# Altium PCB TEBF0808.PcbDoc (part 1 of 11) (continued)
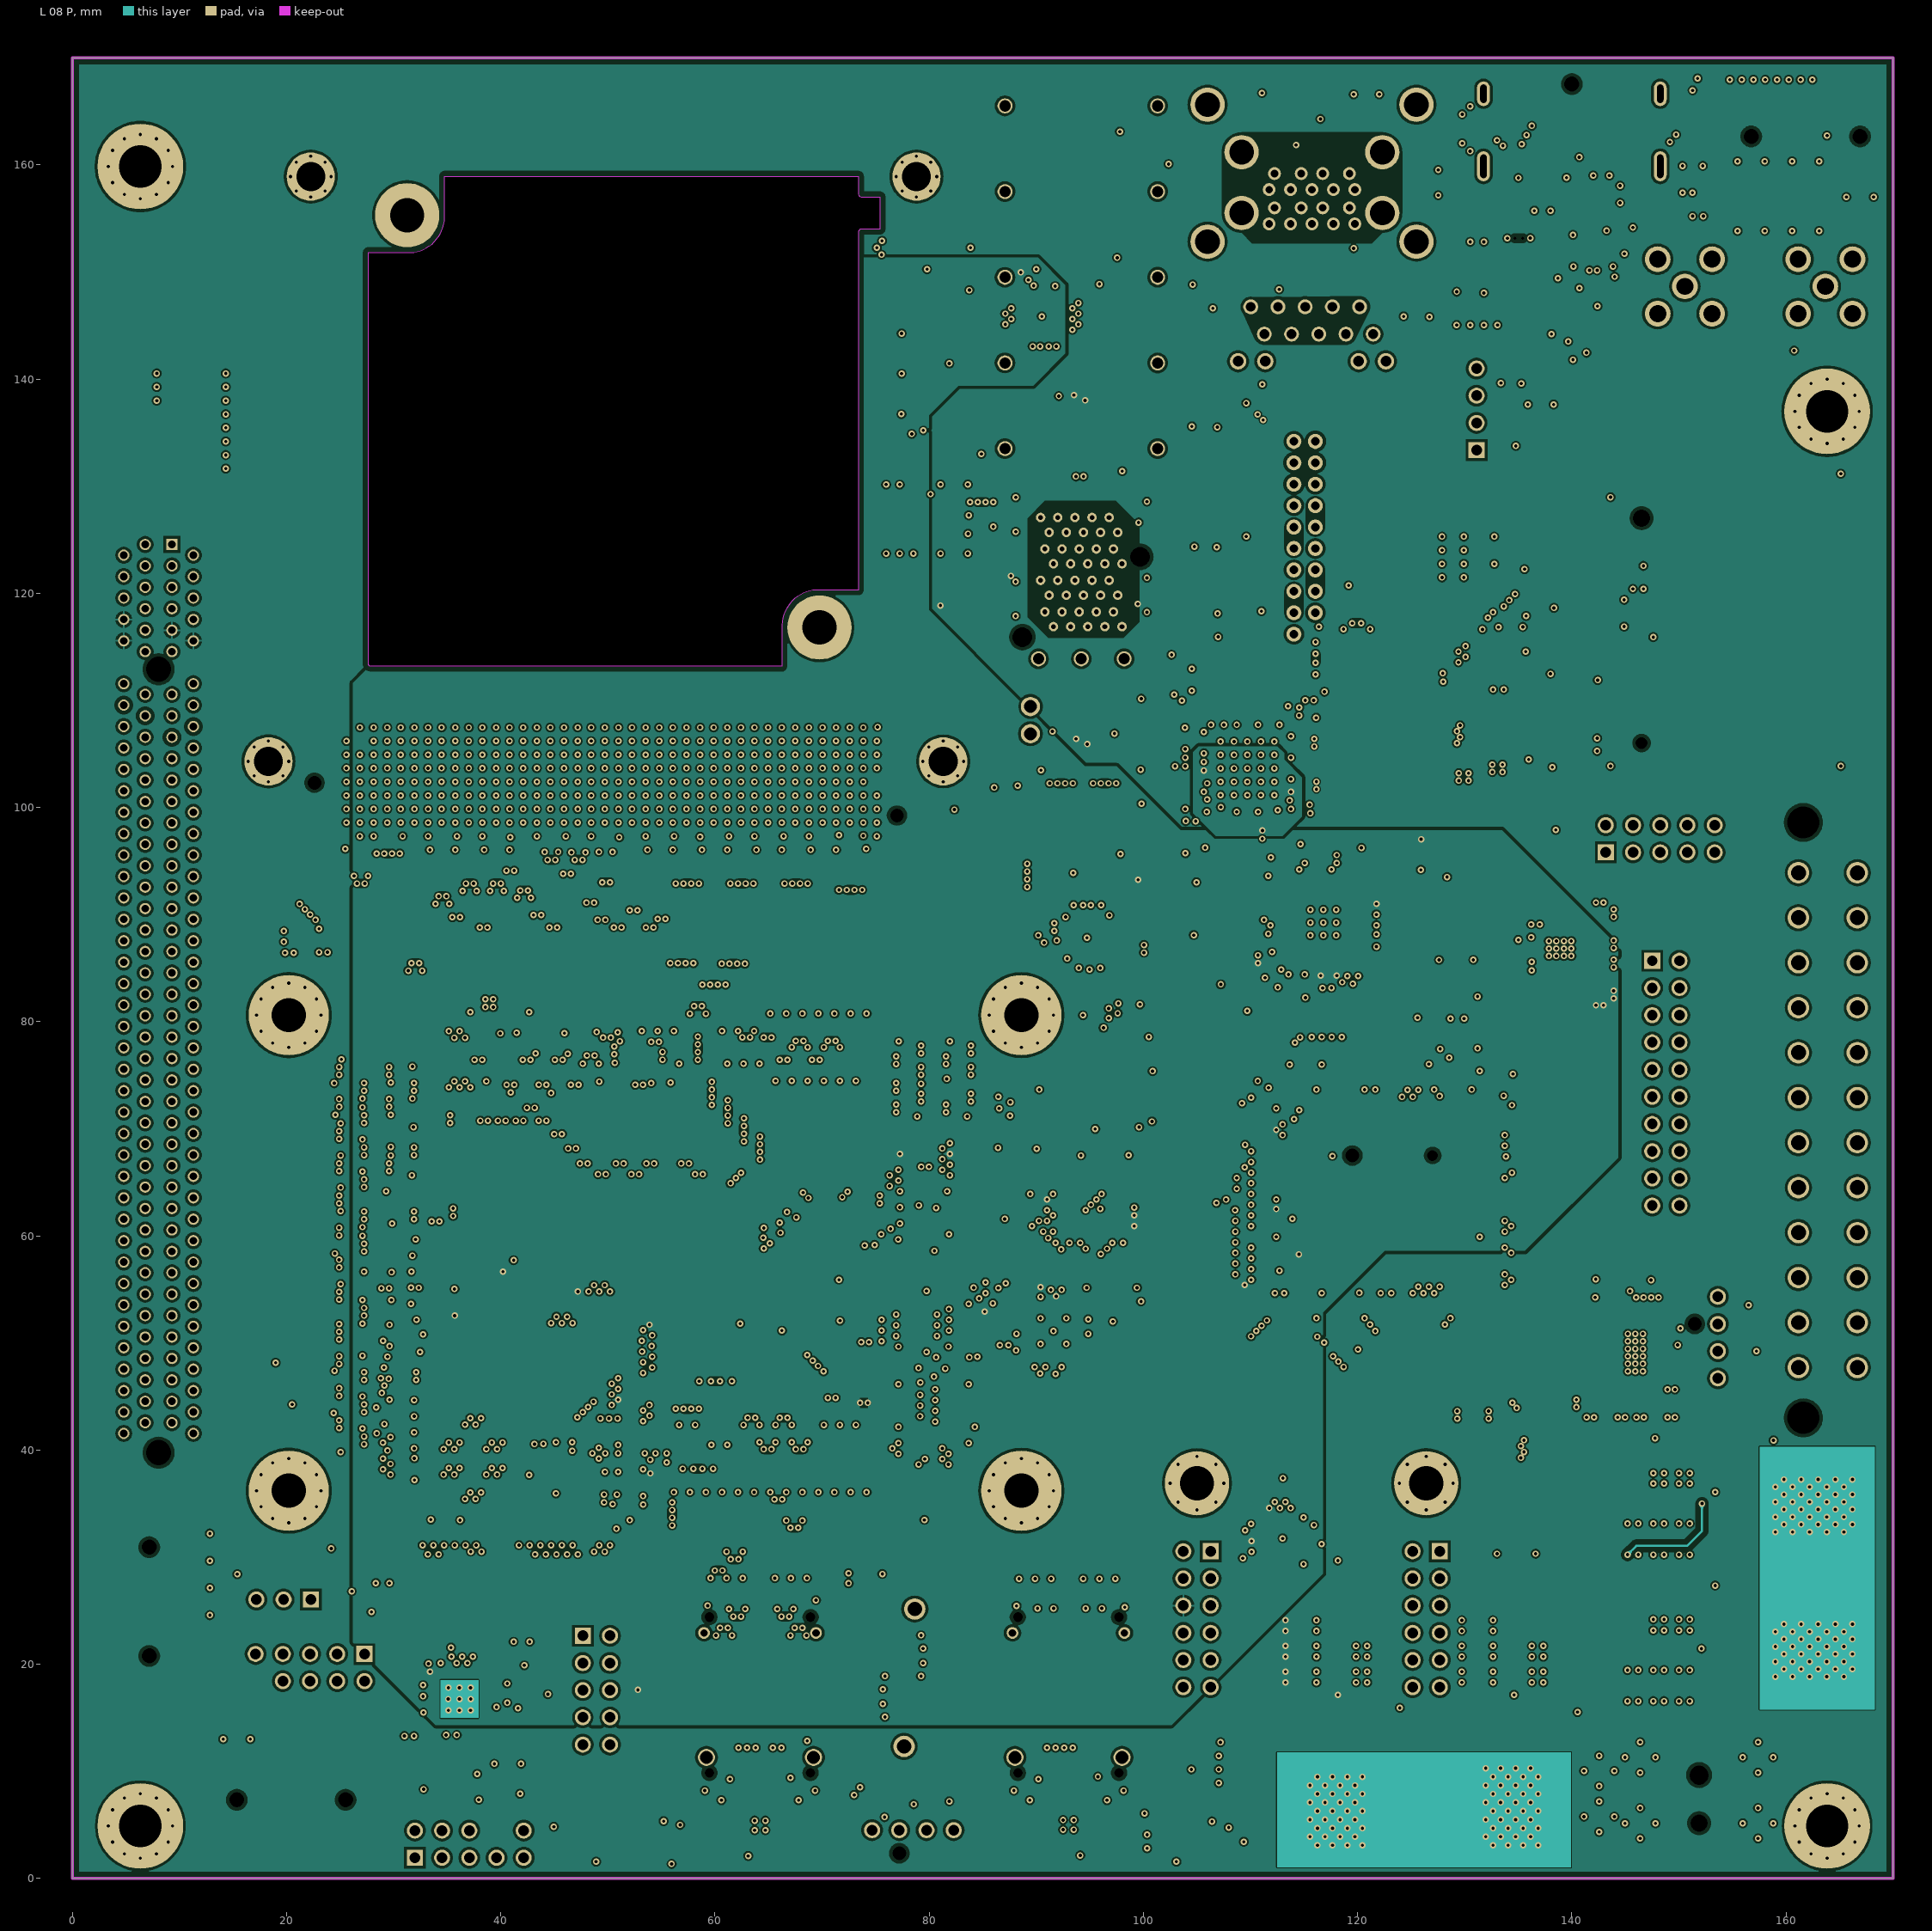
[diagram p8: L 08 P]
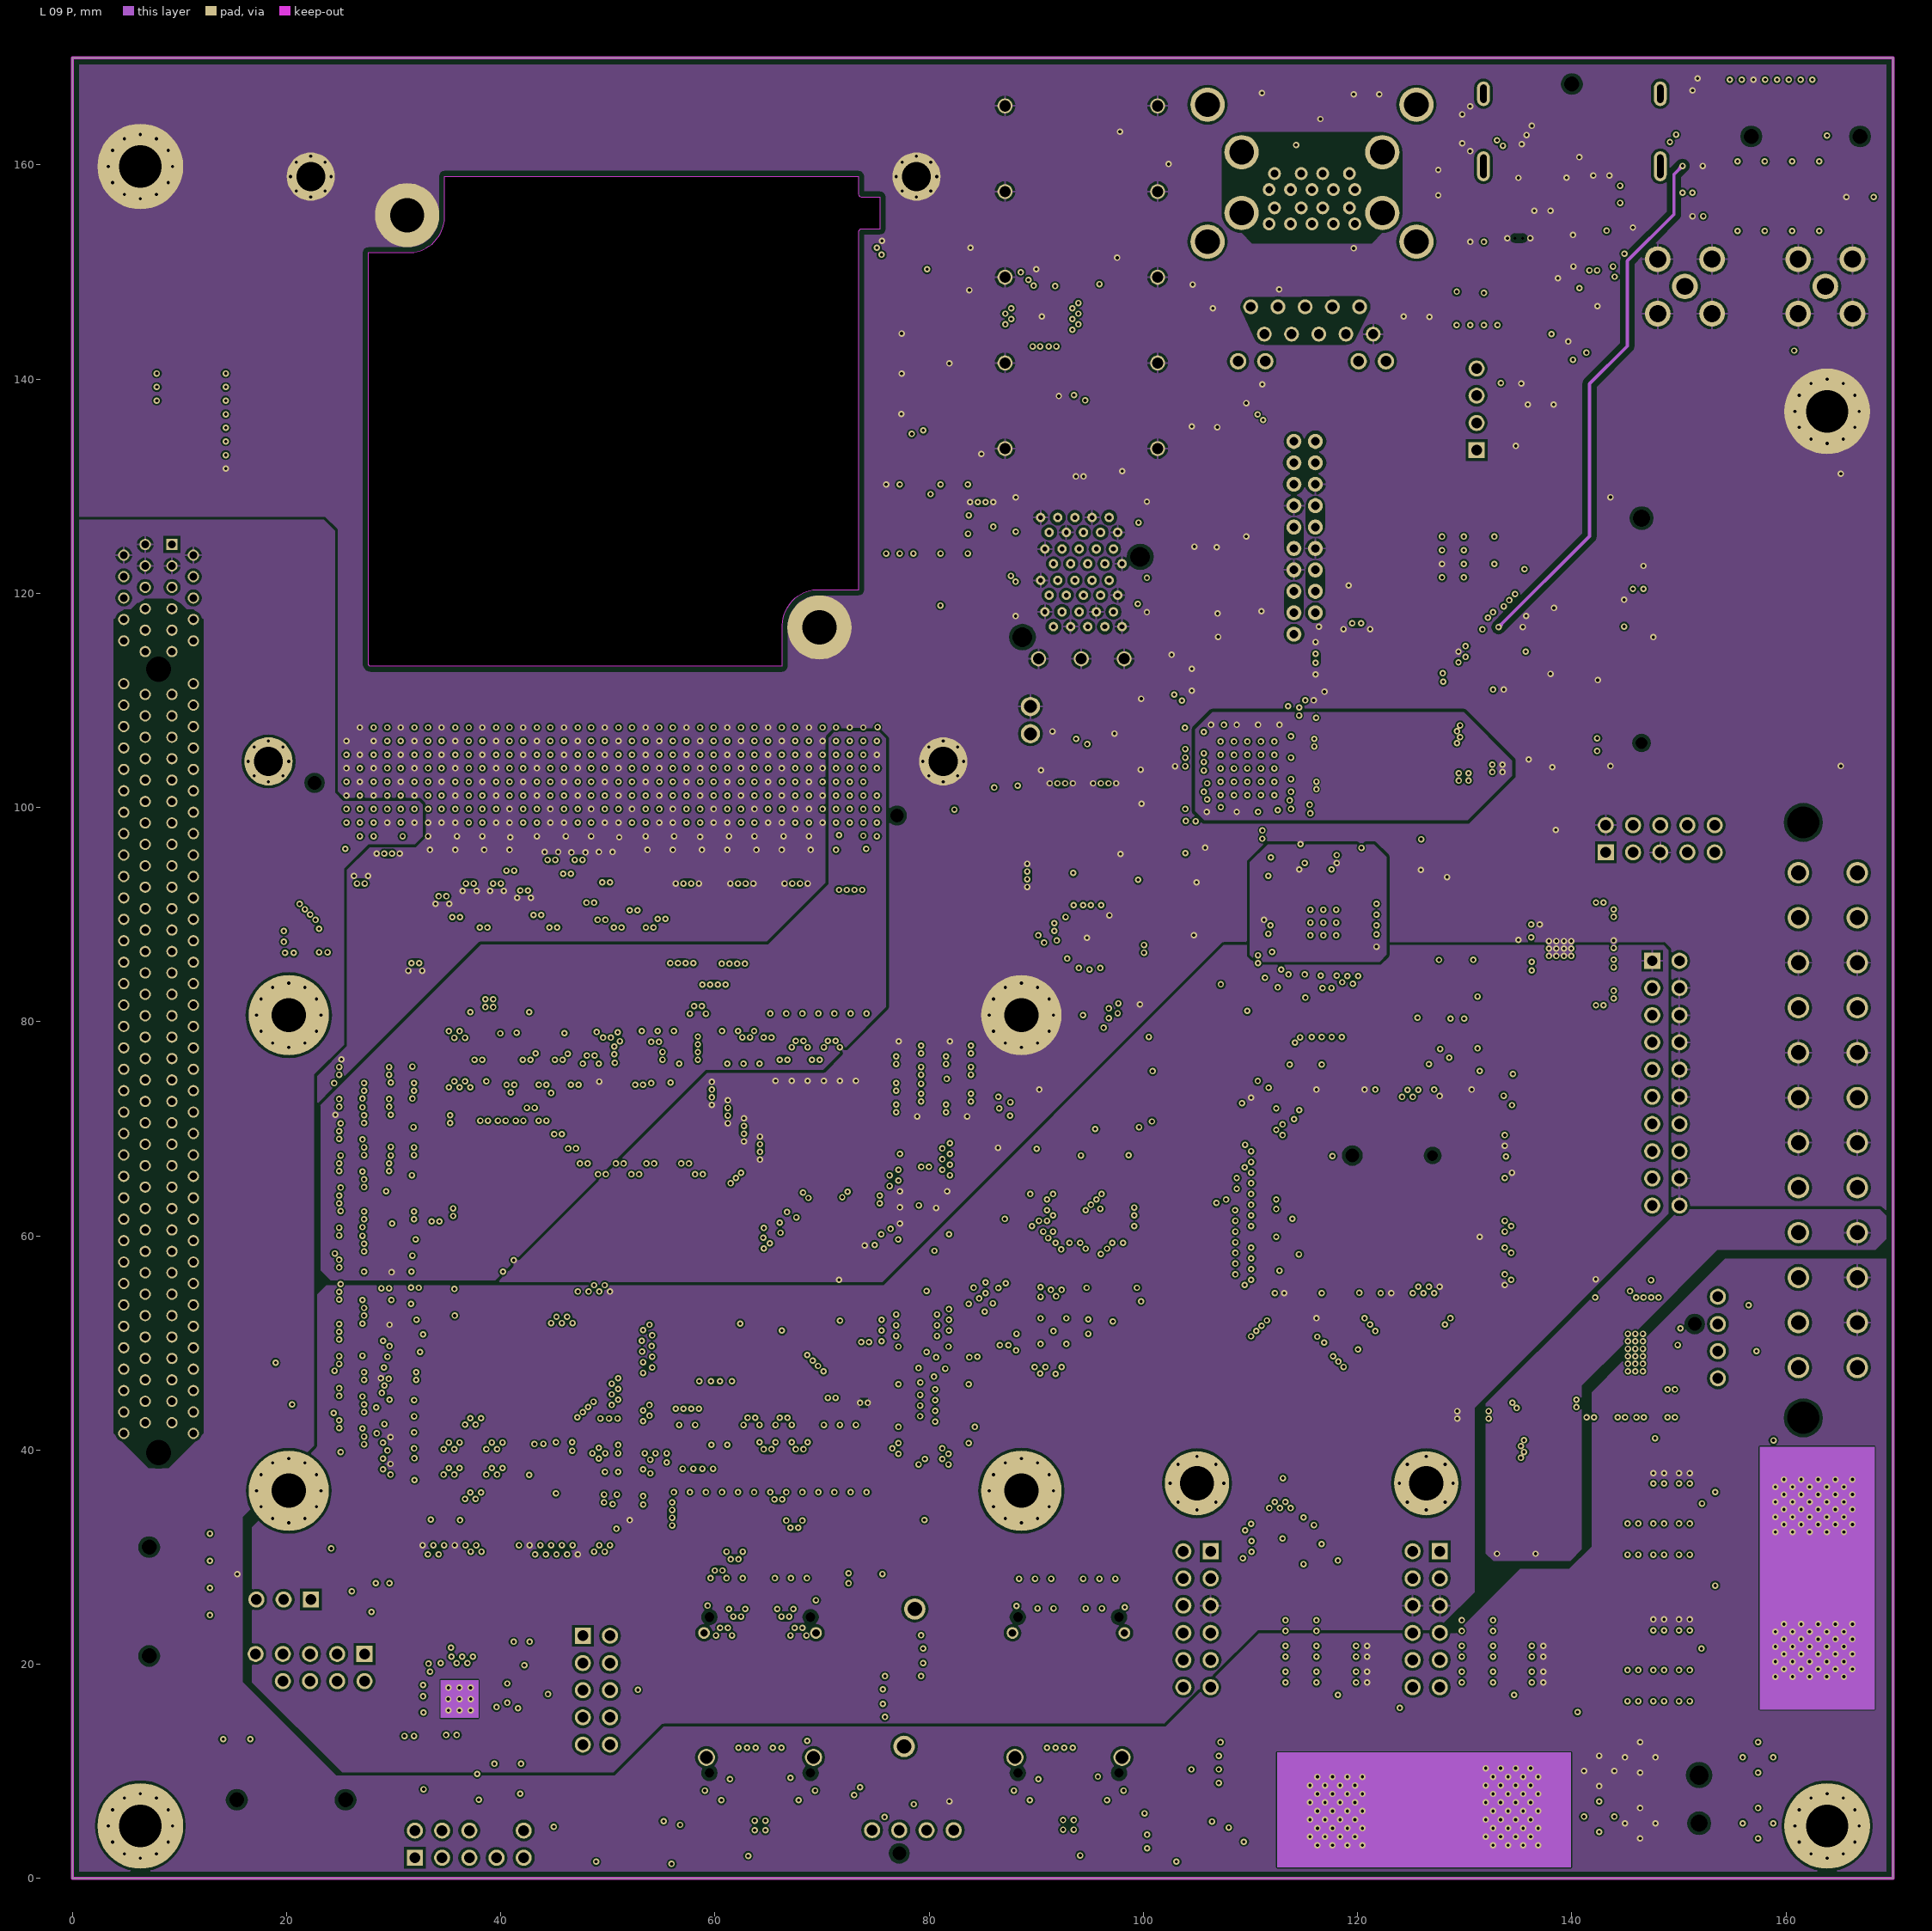
[diagram p9: L 09 P]
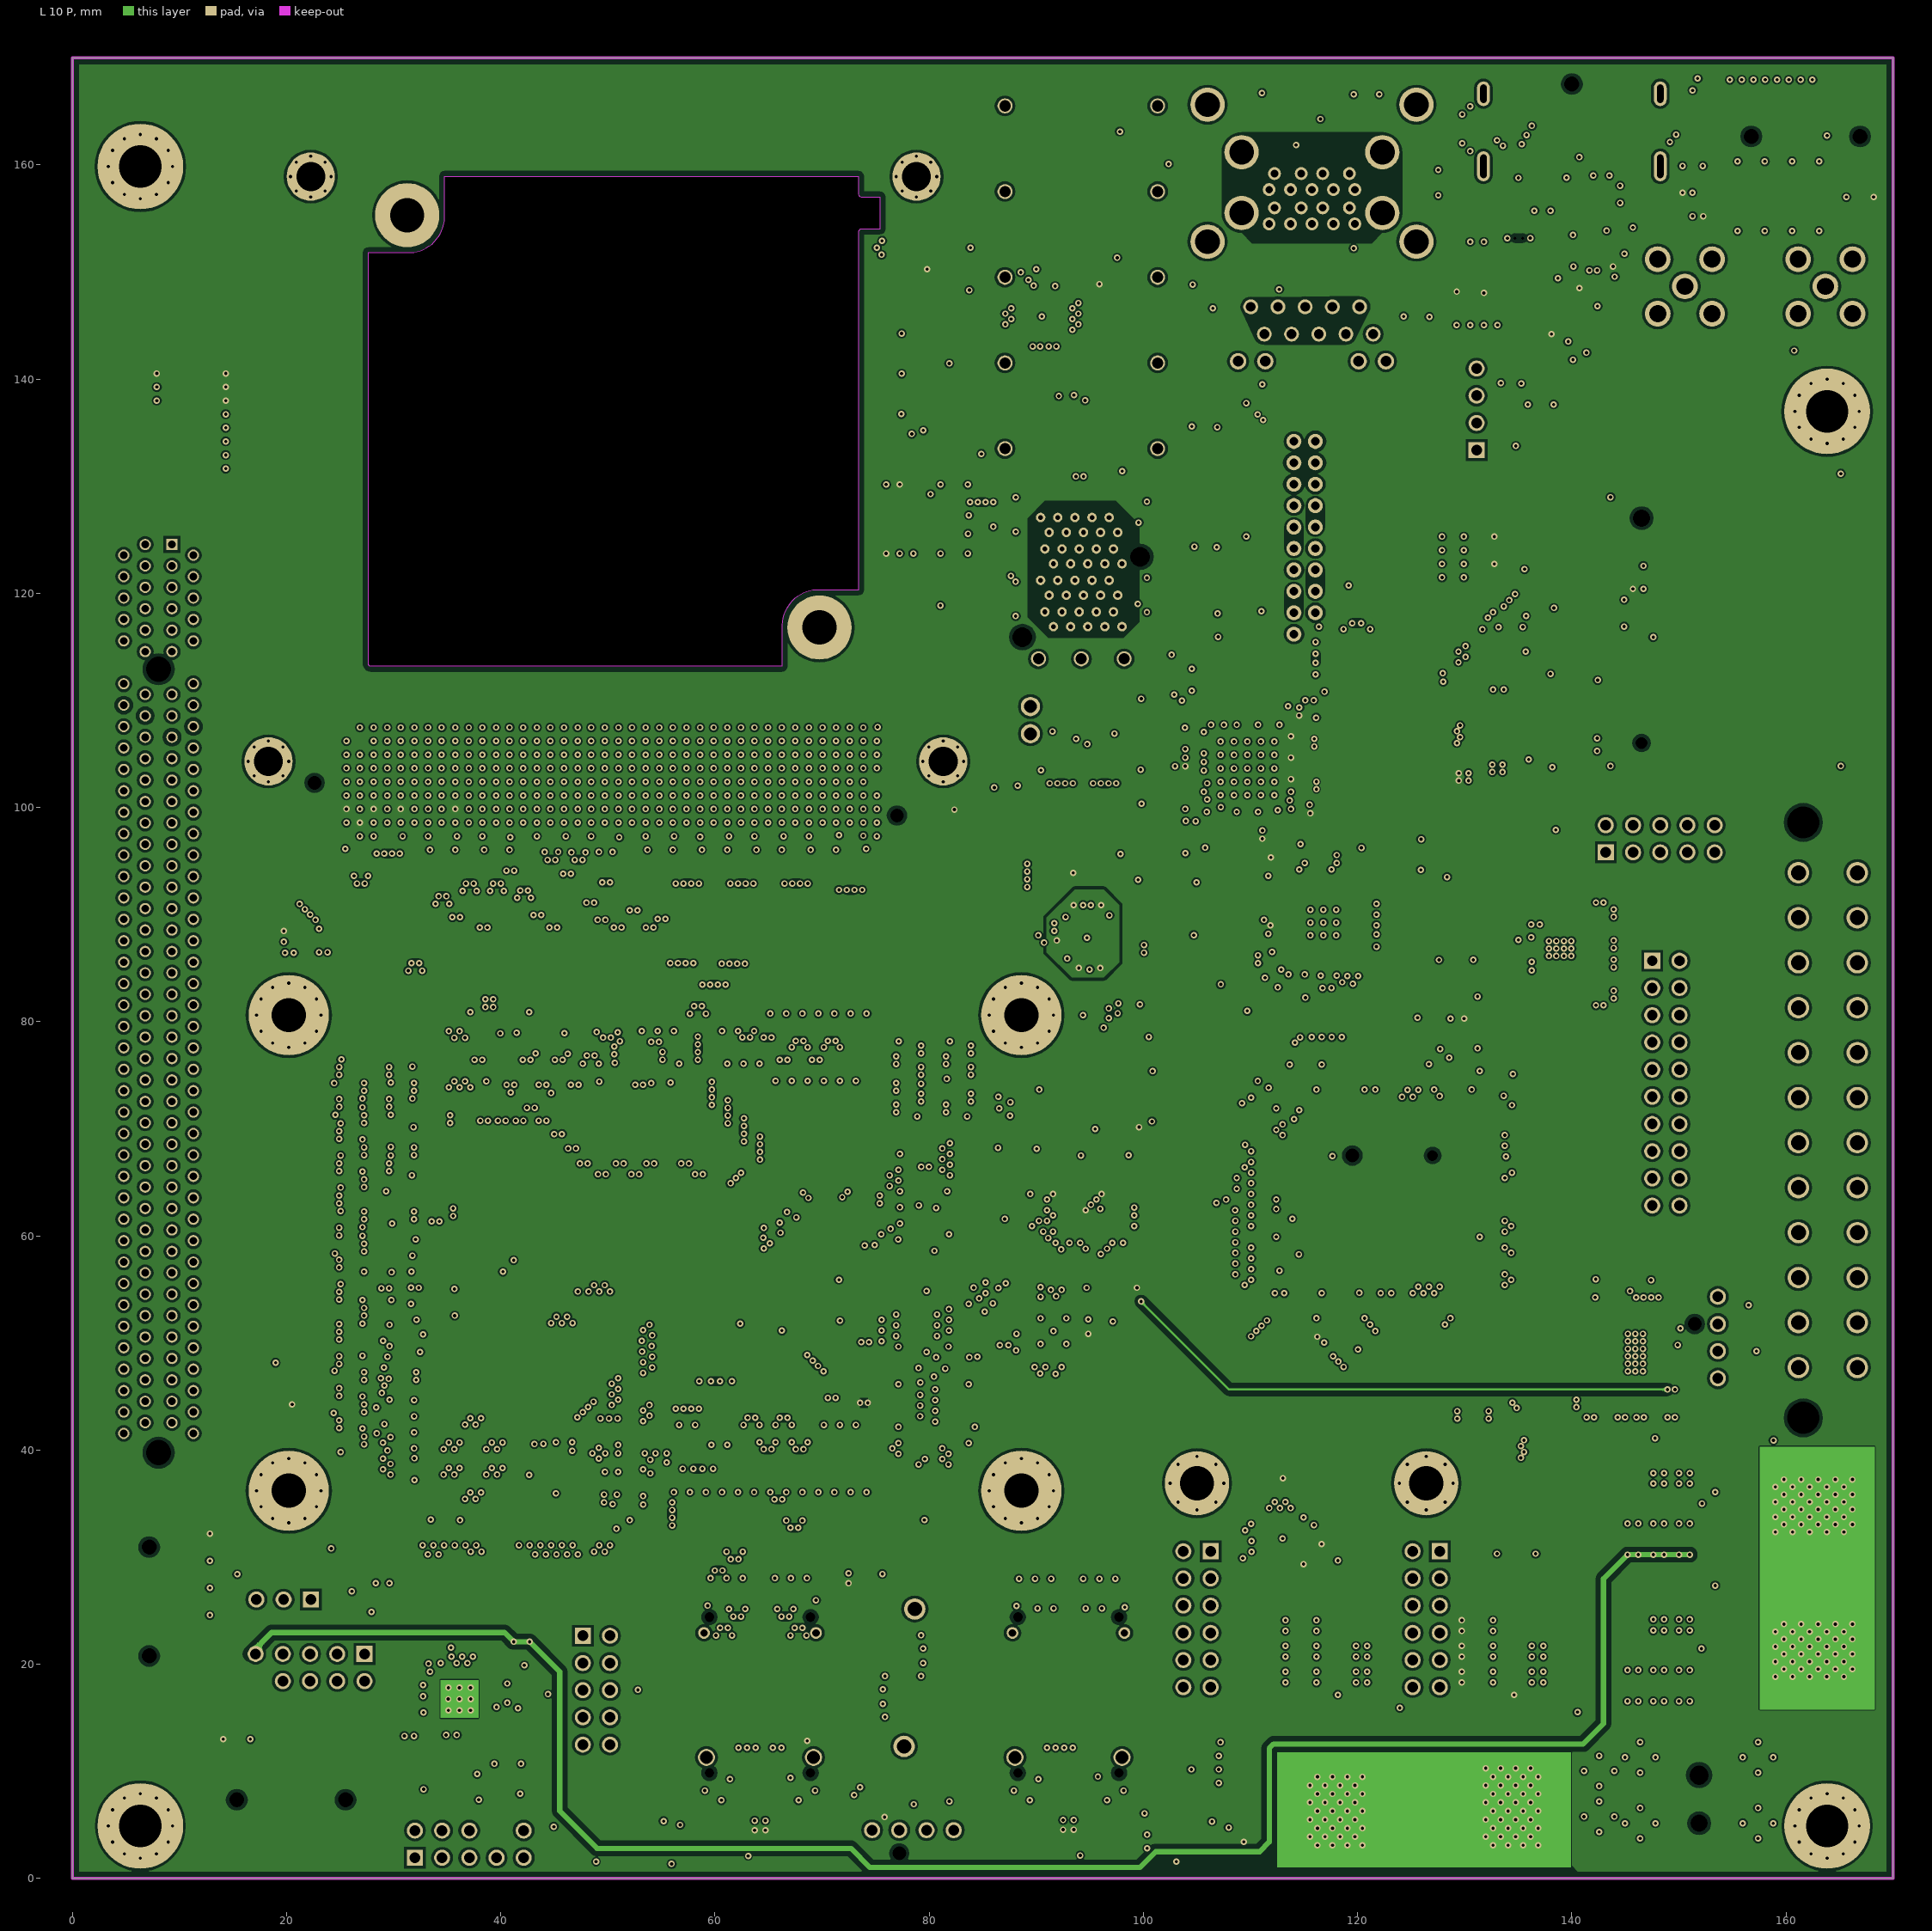
[diagram p10: L 10 P]
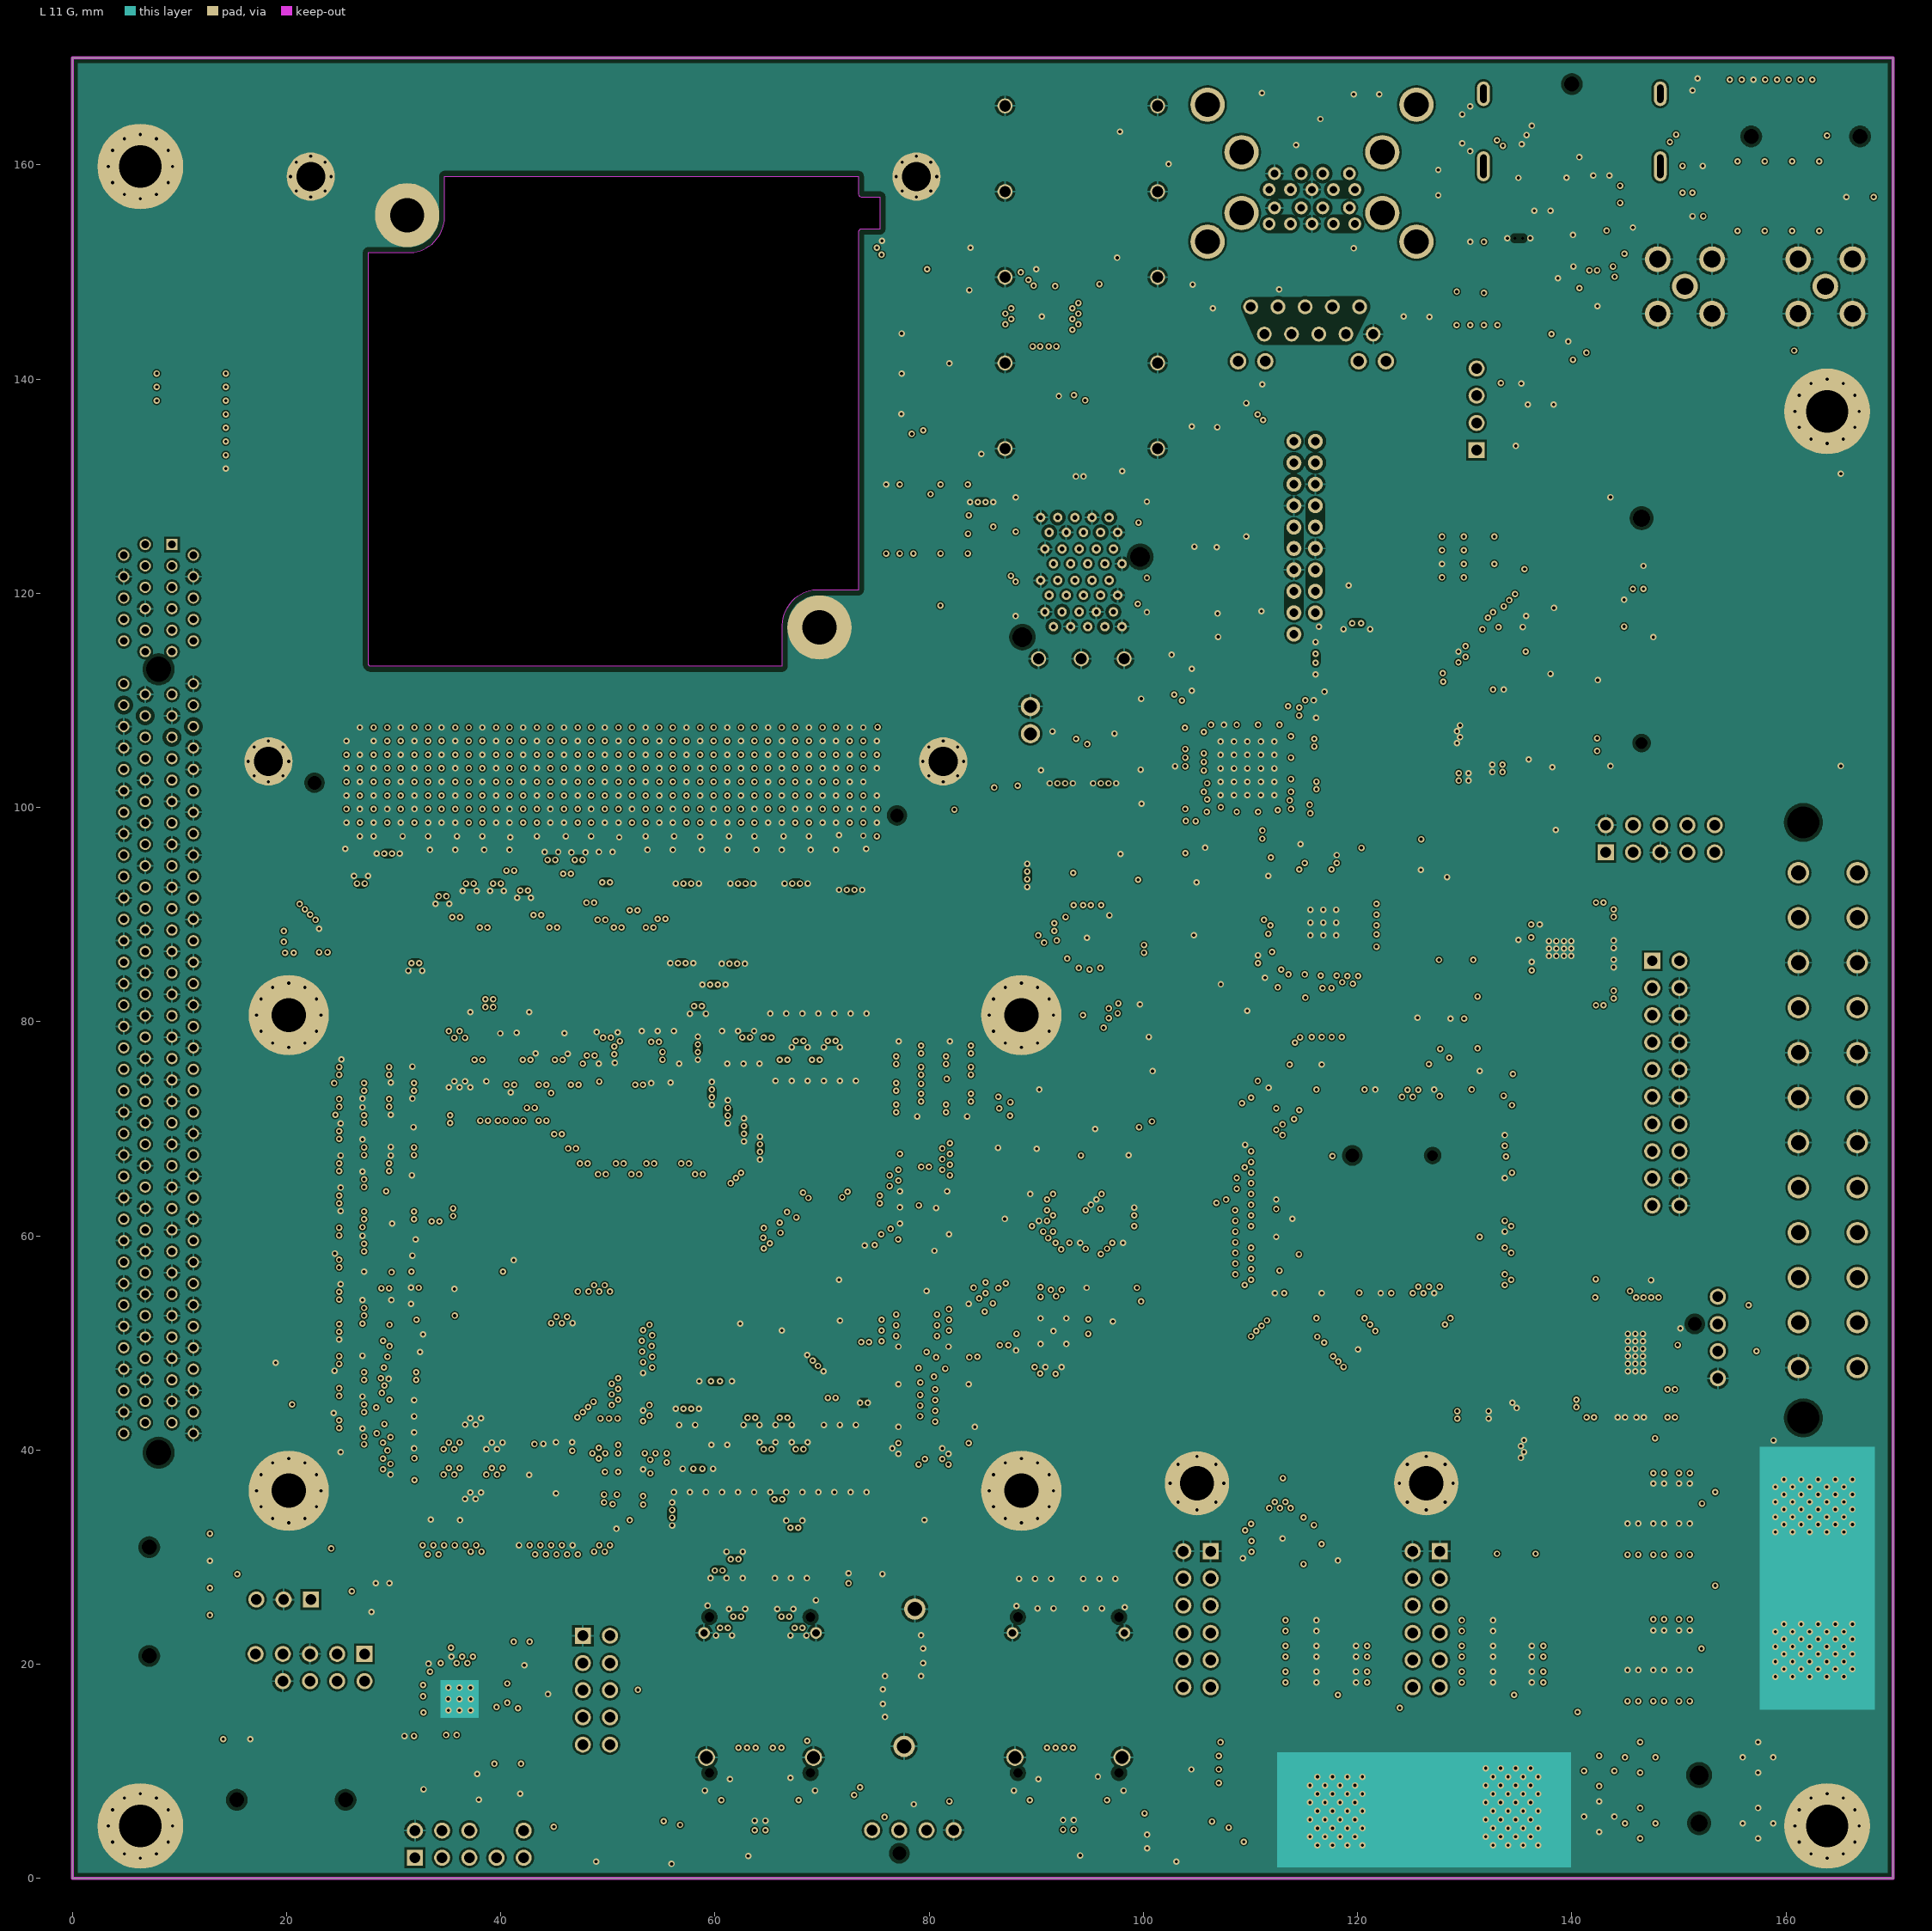
[diagram p11: L 11 G]